# KiCad board VLT.kicad_pcb
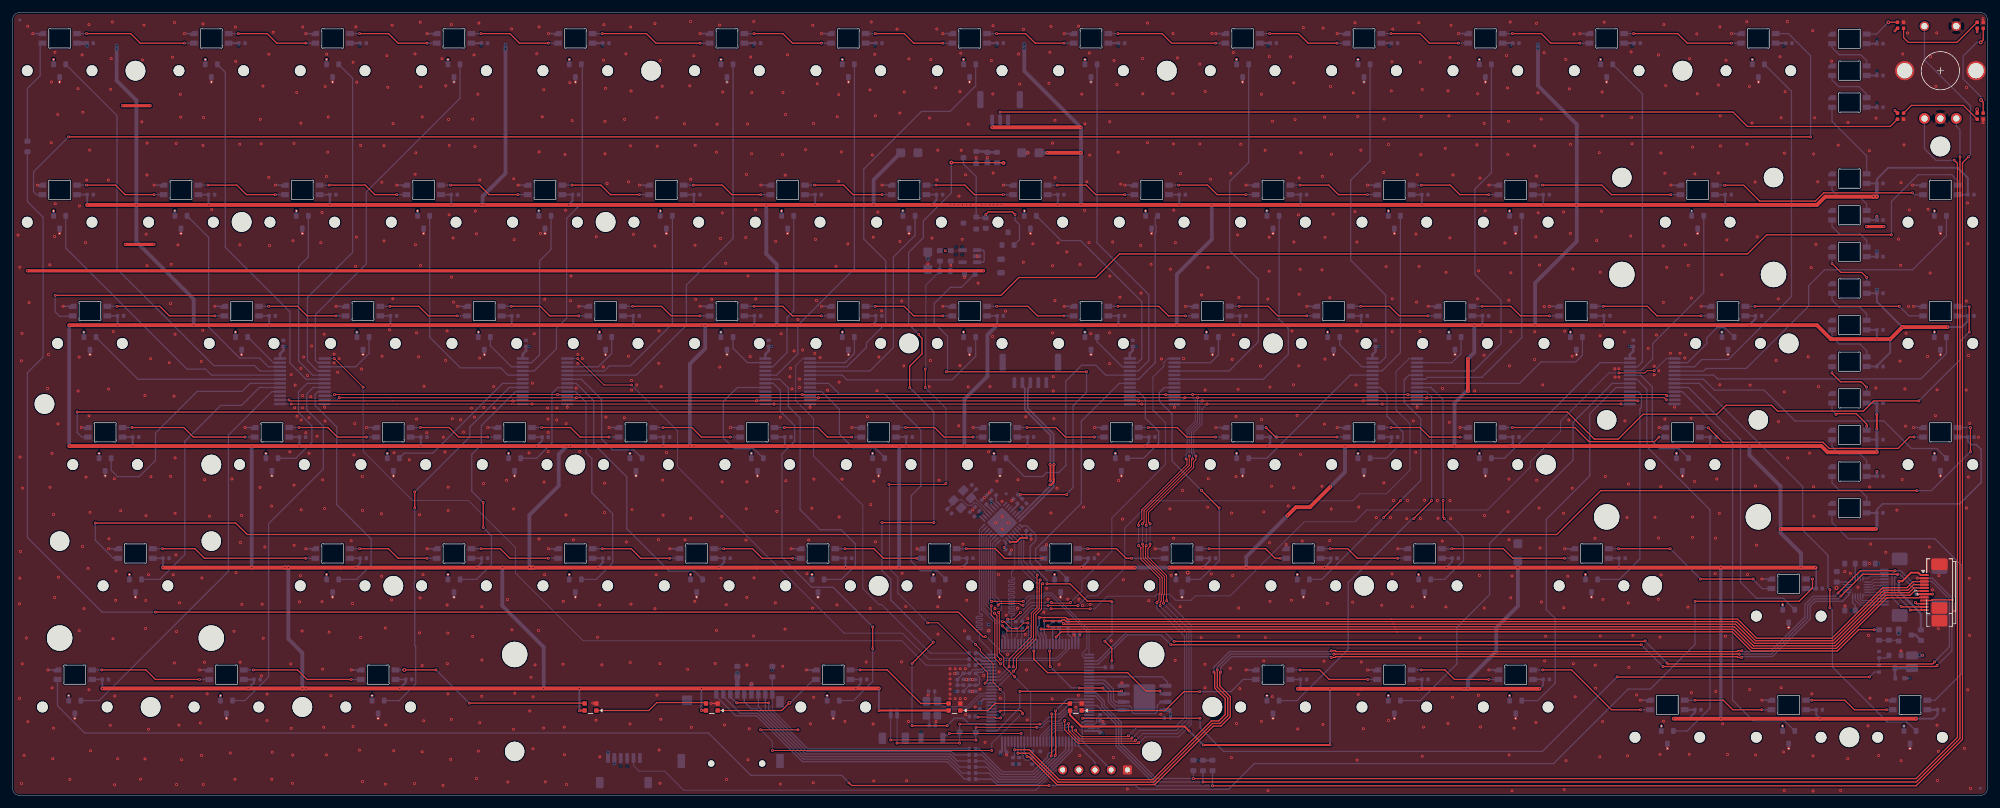
[diagram p0: board, top side]
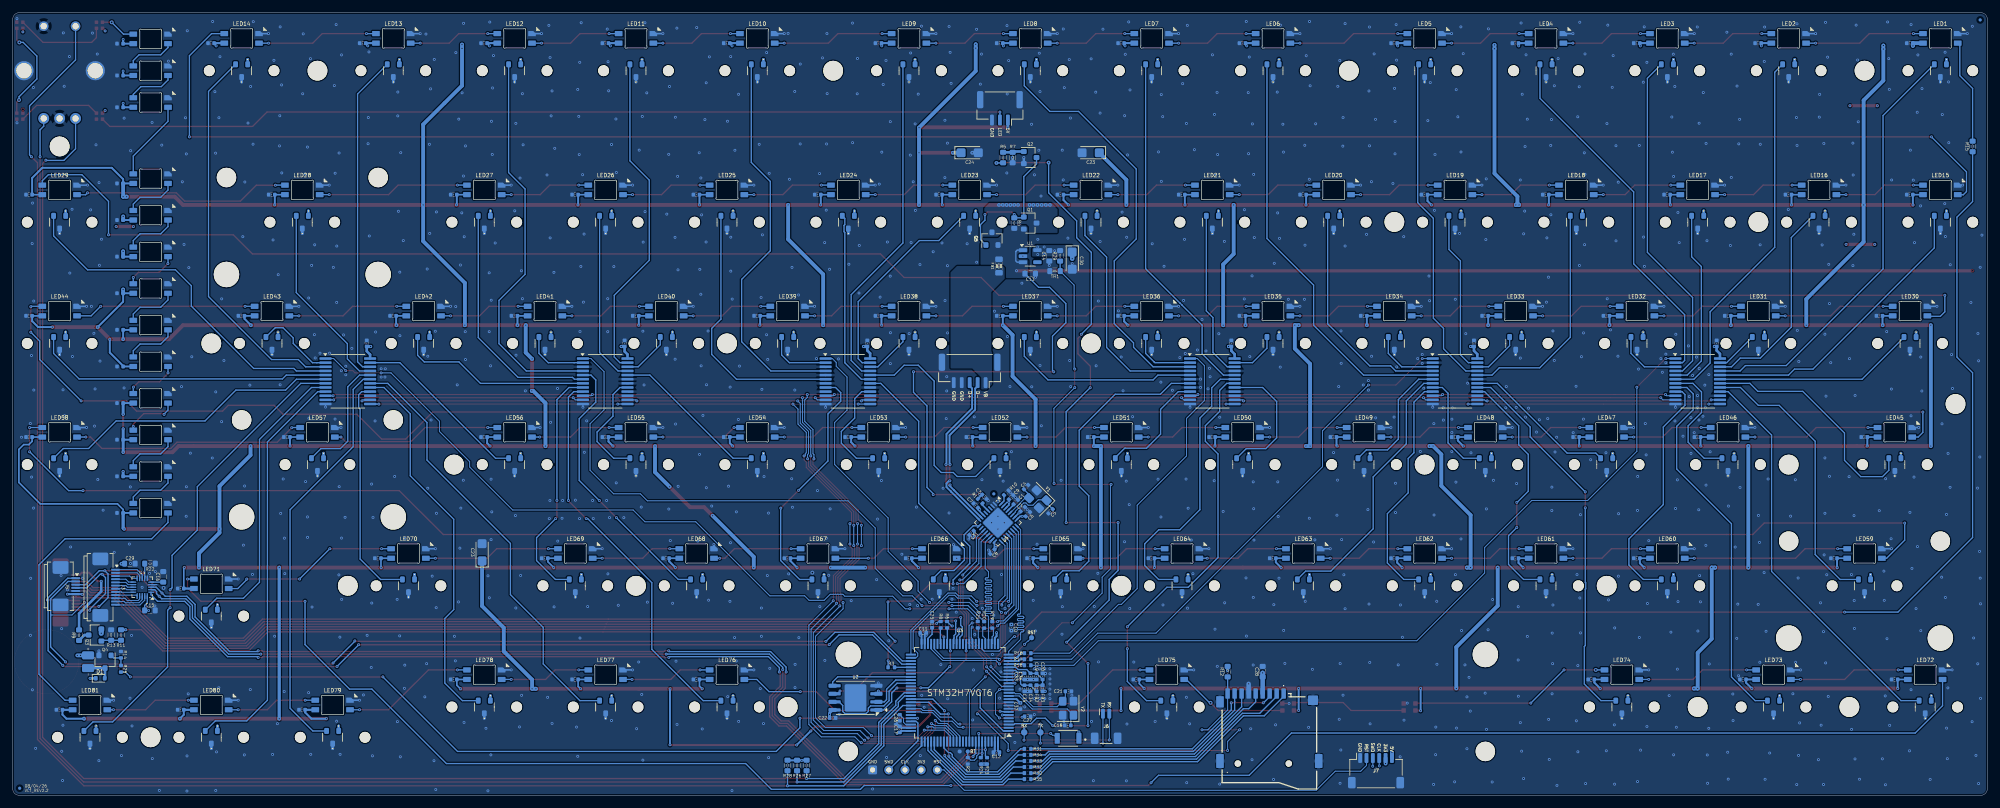
[diagram p1: board, bottom side, seen from below]

Outline 310 x 123 mm; copper layers: Top, In1.Cu, In2.Cu, Bottom. Coordinates in mm from the lower left corner of the outline.
Outline path: 0,122 arc(0.29,122.71) 1,123 309,123 arc(309.71,122.7) 310,121.99 310,1 arc(309.71,0.29) 309,0 1,0 arc(0.29,0.29) 0,0.99 0,122
Stack: Top 0.035mm / dielectric 0.1mm FR4 er 4.5 / In1.Cu 0.035mm / dielectric 1.24mm FR4 er 4.5 / In2.Cu 0.035mm / dielectric 0.1mm FR4 er 4.5 / Bottom 0.035mm

## Placement (name value [footprint] x y rotation side)
AMB1  SK6812  [LED_6028R]  288.35 45.13 0 bottom
AMB2  SK6812  [LED_6028R]  288.35 50.88 0 bottom
AMB3  SK6812  [LED_6028R]  288.35 56.64 0 bottom
AMB4  SK6812  [LED_6028R]  288.35 62.39 0 bottom
AMB5  SK6812  [LED_6028R]  288.35 68.15 0 bottom
AMB6  SK6812  [LED_6028R]  288.35 73.9 0 bottom
AMB7  SK6812  [LED_6028R]  288.35 79.66 0 bottom
AMB8  SK6812  [LED_6028R]  288.35 85.41 0 bottom
AMB9  SK6812  [LED_6028R]  288.35 91.17 0 bottom
AMB10  SK6812  [LED_6028R]  288.35 96.92 0 bottom
C1  100nF  [C_0402]  152.51 46.09 135 bottom
C2  100nF  [C_0402]  151.42 44.98 135 bottom
C3  100nF  [C_0402]  157.46 46.91 225 bottom
C4  20pF  [C_0402]  150.91 48.44 315 bottom
C5  20pF  [C_0402]  147.06 44.64 135 bottom
C6  100nF  [C_0402]  150.62 44.18 135 bottom
C7  100nF  [C_0402]  158.81 45.54 45 bottom
C8  100nF  [C_0402]  156.21 38.29 315 bottom
C9  100nF  [C_0402]  153.26 46.84 135 bottom
C10  100nF  [C_0402]  153.21 26.36 270 bottom
C11  100nF  [C_0402]  167.06 25.54 180 bottom
C12  100nF  [C_0402]  155.56 6.76 0 bottom
C13  10uF  [C_0603]  150.26 81.99 180 bottom
C14  10uF  [C_0603]  147.26 84.79 270 bottom
C15  100nF  [C_0603]  288.46 29.06 180 bottom
C16  100nF  [C_0603]  286.38 34.34 90 bottom
C17  100nF  [C_0402]  170.74 10.36 90 bottom
C18  20pF  [C_0402]  144.36 10.99 180 bottom
C19  100nF  [C_0402]  149.26 18.69 90 bottom
C20  1uF  [C_0402]  148.31 18.69 270 bottom
C21  20pF  [C_0402]  144.26 16.34 0 bottom
C22  100nF  [C_0402]  181.28 12.16 180 bottom
C23  47uF  [CP_EIA-3216-12_Kemet-S]  140.76 100.99 0 bottom
C23#2  47uF  [CP_EIA-3216-12_Kemet-S]  236.31 38.19 90 bottom
C24  47uF  [CP_EIA-3216-12_Kemet-S]  159.76 100.99 180 bottom
C25  4.7uF  [C_0402]  165.66 26.81 90 bottom
C26  4.7uF  [C_0402]  170.74 12.19 270 bottom
C27  100nF  [C_0402]  150.66 12.39 0 bottom
C28  100nF  [C_0603]  113.76 19.44 90 bottom
C29  100nF  [C_0603]  291.61 36.41 180 bottom
C30  47uF  [CP_EIA-3216-12_Kemet-S]  143.66 84.04 270 bottom
C31  100nF  [C_0402]  159.46 41.24 315 bottom
C32  100nF  [C_0402]  151.81 14.04 270 bottom
C33  100nF  [C_0402]  151.16 18.69 90 bottom
C34  1uF  [C_0402]  150.21 16.82 90 bottom
C35  10uF  [C_0402]  151.16 16.82 90 bottom
C36  10uF  [C_0402]  150.21 18.69 90 bottom
CA1  0.1uF  [C_0402]  293.15 44.38 0 bottom
CA2  0.1uF  [C_0402]  293.15 50.13 0 bottom
CA3  0.1uF  [C_0402]  293.15 55.89 0 bottom
CA4  0.1uF  [C_0402]  293.15 61.64 0 bottom
CA5  0.1uF  [C_0402]  293.15 67.4 0 bottom
CA6  0.1uF  [C_0402]  293.15 73.15 0 bottom
CA7  0.1uF  [C_0402]  293.15 78.91 0 bottom
CA8  0.1uF  [C_0402]  293.15 84.66 0 bottom
CA9  0.1uF  [C_0402]  293.15 90.42 0 bottom
CA10  0.1uF  [C_0402]  293.15 96.17 0 bottom
CG1  0.1uF  [C_0402]  293.15 108.14 0 bottom
CG2  0.1uF  [C_0402]  293.15 113.14 0 bottom
CG3  0.1uF  [C_0402]  293.15 118.14 0 bottom
CL1  0.1u  [C_0402]  12.16 118.22 0 bottom
CL2  0.1u  [C_0402]  35.98 118.22 0 bottom
CL3  0.1u  [C_0402]  55.03 118.22 0 bottom
CL4  0.1u  [C_0402]  74.08 118.22 0 bottom
CL5  0.1u  [C_0402]  93.13 118.22 0 bottom
CL6  0.1u  [C_0402]  116.94 118.22 0 bottom
CL7  0.1u  [C_0402]  135.99 118.22 0 bottom
CL8  0.1u  [C_0402]  155.04 118.22 0 bottom
CL9  0.1u  [C_0402]  174.09 118.22 0 bottom
CL10  0.1u  [C_0402]  197.9 118.22 0 bottom
CL11  0.1u  [C_0402]  216.95 118.22 0 bottom
CL12  0.1u  [C_0402]  236 118.22 0 bottom
CL13  0.1u  [C_0402]  255.05 118.22 0 bottom
CL14  0.1u  [C_0402]  278.86 118.22 0 bottom
CL15  0.1u  [C_0402]  12.16 94.4 0 bottom
CL16  0.1u  [C_0402]  31.21 94.4 0 bottom
CL17  0.1u  [C_0402]  50.26 94.4 0 bottom
CL18  0.1u  [C_0402]  69.31 94.4 0 bottom
CL19  0.1u  [C_0402]  88.36 94.4 0 bottom
CL20  0.1u  [C_0402]  107.41 94.4 0 bottom
CL21  0.1u  [C_0402]  126.46 94.4 0 bottom
CL22  0.1u  [C_0402]  145.51 94.4 0 bottom
CL23  0.1u  [C_0402]  164.56 94.4 0 bottom
CL24  0.1u  [C_0402]  183.61 94.4 0 bottom
CL25  0.1u  [C_0402]  202.66 94.4 0 bottom
CL26  0.1u  [C_0402]  221.71 94.4 0 bottom
CL27  0.1u  [C_0402]  240.76 94.4 0 bottom
CL28  0.1u  [C_0402]  269.34 94.4 0 bottom
CL29  0.1u  [C_0402]  307.44 94.4 0 bottom
CL30  0.1u  [C_0402]  16.93 75.35 0 bottom
CL31  0.1u  [C_0402]  40.74 75.35 0 bottom
CL32  0.1u  [C_0402]  59.79 75.35 0 bottom
CL33  0.1u  [C_0402]  78.84 75.35 0 bottom
CL34  0.1u  [C_0402]  97.89 75.35 0 bottom
CL35  0.1u  [C_0402]  116.94 75.35 0 bottom
CL36  0.1u  [C_0402]  135.99 75.35 0 bottom
CL37  0.1u  [C_0402]  155.04 75.35 0 bottom
CL38  0.1u  [C_0402]  174.09 75.35 0 bottom
CL39  0.1u  [C_0402]  193.14 75.35 0 bottom
CL40  0.1u  [C_0402]  212.19 75.35 0 bottom
CL41  0.1u  [C_0402]  231.24 75.35 0 bottom
CL42  0.1u  [C_0402]  250.29 75.35 0 bottom
CL43  0.1u  [C_0402]  274.1 75.35 0 bottom
CL44  0.1u  [C_0402]  307.44 75.35 0 bottom
CL45  0.1u  [C_0402]  19.31 56.3 0 bottom
CL46  0.1u  [C_0402]  45.5 56.3 0 bottom
CL47  0.1u  [C_0402]  64.55 56.3 0 bottom
CL48  0.1u  [C_0402]  83.6 56.3 0 bottom
CL49  0.1u  [C_0402]  102.65 56.3 0 bottom
CL50  0.1u  [C_0402]  121.7 56.3 0 bottom
CL51  0.1u  [C_0402]  140.75 56.3 0 bottom
CL52  0.1u  [C_0402]  159.8 56.3 0 bottom
CL53  0.1u  [C_0402]  178.85 56.3 0 bottom
CL54  0.1u  [C_0402]  197.9 56.3 0 bottom
CL55  0.1u  [C_0402]  216.95 56.3 0 bottom
CL56  0.1u  [C_0402]  236 56.3 0 bottom
CL57  0.1u  [C_0402]  266.96 56.3 0 bottom
CL58  0.1u  [C_0402]  307.44 56.3 0 bottom
CL59  0.1u  [C_0402]  24.07 37.25 0 bottom
CL60  0.1u  [C_0402]  55.03 37.25 0 bottom
CL61  0.1u  [C_0402]  74.08 37.25 0 bottom
CL62  0.1u  [C_0402]  93.13 37.25 0 bottom
CL63  0.1u  [C_0402]  112.18 37.25 0 bottom
CL64  0.1u  [C_0402]  131.23 37.25 0 bottom
CL65  0.1u  [C_0402]  150.28 37.25 0 bottom
CL66  0.1u  [C_0402]  169.33 37.25 0 bottom
CL67  0.1u  [C_0402]  188.38 37.25 0 bottom
CL68  0.1u  [C_0402]  207.43 37.25 0 bottom
CL69  0.1u  [C_0402]  226.48 37.25 0 bottom
CL70  0.1u  [C_0402]  252.67 37.25 0 bottom
CL71  0.1u  [C_0402]  283.63 32.49 0 bottom
CL72  0.1u  [C_0402]  14.54 18.2 0 bottom
CL73  0.1u  [C_0402]  38.36 18.2 0 bottom
CL74  0.1u  [C_0402]  62.17 18.2 0 bottom
CL75  0.1u  [C_0402]  133.61 18.2 0 bottom
CL76  0.1u  [C_0402]  202.66 18.2 0 bottom
CL77  0.1u  [C_0402]  221.71 18.2 0 bottom
CL78  0.1u  [C_0402]  240.76 18.2 0 bottom
CL79  0.1u  [C_0402]  264.58 13.44 0 bottom
CL80  0.1u  [C_0402]  283.63 13.44 0 bottom
CL81  0.1u  [C_0402]  302.68 13.44 0 bottom
D1  1N4148WT  [D_SOD-523]  296.26 18.39 180 bottom
ENC1  RotaryEncoder_Switch_MP  [RotaryEncoder_Alps_EC11E_Vertical_H20mm_CircularMountingHoles]  302.64 113.89 180 top
ERM1  Motor_DC  [Coin_Motor_ERM_10mm]  304.67 20.99 90 bottom
FB1  600R  [Ferrite_0805]  155.16 83.19 90 bottom
FB2  60R  [Ferrite_0402]  149.26 16.82 270 bottom
FB3  60R  [Ferrite_0402]  148.31 16.82 270 bottom
FID1  Fiducial  [Fiducial_0.5mm_Mask1mm]  1.11 121.87 180 bottom
FID2  Fiducial  [Fiducial_0.5mm_Mask1mm]  308.91 1.11 180 bottom
FID3  Fiducial  [Fiducial_0.5mm_Mask1mm]  155.97 47.38 180 bottom
GLO1  SK6812  [LED_6028R]  288.35 108.89 0 bottom
GLO2  SK6812  [LED_6028R]  288.35 113.89 0 bottom
GLO3  SK6812  [LED_6028R]  288.35 118.89 0 bottom
HE1  49E  [SW_MX_HE_90deg_1u_4layer]  7.36 113.89 0 bottom
HE2  49E  [SW_MX_HE_90deg_1u_4layer]  31.18 113.89 0 bottom
HE3  49E  [SW_MX_HE_90deg_1u_4layer]  50.23 113.89 0 bottom
HE4  49E  [SW_MX_HE_90deg_1u_4layer]  69.28 113.89 0 bottom
HE5  49E  [SW_MX_HE_90deg_1u_4layer]  88.33 113.89 0 bottom
HE6  49E  [SW_MX_HE_90deg_1u_4layer]  112.14 113.89 0 bottom
HE7  49E  [SW_MX_HE_90deg_1u_4layer]  131.19 113.89 0 bottom
HE8  49E  [SW_MX_HE_90deg_1u_4layer]  150.24 113.89 0 bottom
HE9  49E  [SW_MX_HE_90deg_1u_4layer]  169.29 113.89 0 bottom
HE10  49E  [SW_MX_HE_90deg_1u_4layer]  193.1 113.89 0 bottom
HE11  49E  [SW_MX_HE_90deg_1u_4layer]  212.15 113.89 0 bottom
HE12  49E  [SW_MX_HE_90deg_1u_4layer]  231.2 113.89 0 bottom
HE13  49E  [SW_MX_HE_90deg_1u_4layer]  250.25 113.89 0 bottom
HE14  49E  [SW_MX_HE_90deg_1u_4layer]  274.06 113.89 0 bottom
HE15  49E  [SW_MX_HE_90deg_1u_4layer]  7.36 90.07 0 bottom
HE16  49E  [SW_MX_HE_90deg_1u_4layer]  26.41 90.07 0 bottom
HE17  49E  [SW_MX_HE_90deg_1u_4layer]  45.46 90.07 0 bottom
HE18  49E  [SW_MX_HE_90deg_1u_4layer]  64.51 90.07 0 bottom
HE19  49E  [SW_MX_HE_90deg_1u_4layer]  83.56 90.07 0 bottom
HE20  49E  [SW_MX_HE_90deg_1u_4layer]  102.61 90.07 0 bottom
HE21  49E  [SW_MX_HE_90deg_1u_4layer]  121.66 90.07 0 bottom
HE22  49E  [SW_MX_HE_90deg_1u_4layer]  140.71 90.07 0 bottom
HE23  49E  [SW_MX_HE_90deg_1u_4layer]  159.76 90.07 0 bottom
HE24  49E  [SW_MX_HE_90deg_1u_4layer]  178.81 90.07 0 bottom
HE25  49E  [SW_MX_HE_90deg_1u_4layer]  197.86 90.07 0 bottom
HE26  49E  [SW_MX_HE_90deg_1u_4layer]  216.91 90.07 0 bottom
HE27  49E  [SW_MX_HE_90deg_1u_4layer]  235.96 90.07 0 bottom
HE28  49E  [SW_MX_HE_90deg_2.00u_4layer]  264.54 90.07 0 bottom
HE29  49E  [SW_MX_HE_90deg_1u_4layer]  302.64 90.07 0 bottom
HE30  49E  [SW_MX_HE_90deg_1.5u_4layer]  12.13 71.02 0 bottom
HE31  49E  [SW_MX_HE_90deg_1u_4layer]  35.94 71.02 0 bottom
HE32  49E  [SW_MX_HE_90deg_1u_4layer]  54.99 71.02 0 bottom
HE33  49E  [SW_MX_HE_90deg_1u_4layer]  74.04 71.02 0 bottom
HE34  49E  [SW_MX_HE_90deg_1u_4layer]  93.09 71.02 0 bottom
HE35  49E  [SW_MX_HE_90deg_1u_4layer]  112.14 71.02 0 bottom
HE36  49E  [SW_MX_HE_90deg_1u_4layer]  131.19 71.02 0 bottom
HE37  49E  [SW_MX_HE_90deg_1u_4layer]  150.24 71.02 0 bottom
HE38  49E  [SW_MX_HE_90deg_1u_4layer]  169.29 71.02 0 bottom
HE39  49E  [SW_MX_HE_90deg_1u_4layer]  188.34 71.02 0 bottom
HE40  49E  [SW_MX_HE_90deg_1u_4layer]  207.39 71.02 0 bottom
HE41  49E  [SW_MX_HE_90deg_1u_4layer]  226.44 71.02 0 bottom
HE42  49E  [SW_MX_HE_90deg_1u_4layer]  245.49 71.02 0 bottom
HE43  49E  [SW_MX_HE_90deg_1.5u_4layer]  269.3 71.02 0 bottom
HE44  49E  [SW_MX_HE_90deg_1u_4layer]  302.64 71.02 0 bottom
HE45  49E  [SW_MX_HE_90deg_1.75u_4layer]  14.51 51.97 180 bottom
HE46  49E  [SW_MX_HE_90deg_1u_4layer]  40.7 51.97 0 bottom
HE47  49E  [SW_MX_HE_90deg_1u_4layer]  59.75 51.97 0 bottom
HE48  49E  [SW_MX_HE_90deg_1u_4layer]  78.8 51.97 0 bottom
HE49  49E  [SW_MX_HE_90deg_1u_4layer]  97.85 51.97 0 bottom
HE50  49E  [SW_MX_HE_90deg_1u_4layer]  116.9 51.97 0 bottom
HE51  49E  [SW_MX_HE_90deg_1u_4layer]  135.95 51.97 0 bottom
HE52  49E  [SW_MX_HE_90deg_1u_4layer]  155 51.97 0 bottom
HE53  49E  [SW_MX_HE_90deg_1u_4layer]  174.05 51.97 0 bottom
HE54  49E  [SW_MX_HE_90deg_1u_4layer]  193.1 51.97 0 bottom
HE55  49E  [SW_MX_HE_90deg_1u_4layer]  212.15 51.97 0 bottom
HE56  49E  [SW_MX_HE_90deg_1u_4layer]  231.2 51.97 0 bottom
HE57  49E  [SW_MX_HE_90deg_2.25u_4layer]  262.16 51.97 0 bottom
HE58  49E  [SW_MX_HE_90deg_1u_4layer]  302.64 51.97 0 bottom
HE59  49E  [SW_MX_HE_90deg_2.25u_4layer]  19.27 32.92 0 bottom
HE60  49E  [SW_MX_HE_90deg_1u_4layer]  50.23 32.92 0 bottom
HE61  49E  [SW_MX_HE_90deg_1u_4layer]  69.28 32.92 0 bottom
HE62  49E  [SW_MX_HE_90deg_1u_4layer]  88.33 32.92 0 bottom
HE63  49E  [SW_MX_HE_90deg_1u_4layer]  107.38 32.92 0 bottom
HE64  49E  [SW_MX_HE_90deg_1u_4layer]  126.43 32.92 0 bottom
HE65  49E  [SW_MX_HE_90deg_1u_4layer]  145.48 32.92 0 bottom
HE66  49E  [SW_MX_HE_90deg_1u_4layer]  164.53 32.92 0 bottom
HE67  49E  [SW_MX_HE_90deg_1u_4layer]  183.58 32.92 0 bottom
HE68  49E  [SW_MX_HE_90deg_1u_4layer]  202.63 32.92 0 bottom
HE69  49E  [SW_MX_HE_90deg_1u_4layer]  221.68 32.92 0 bottom
HE70  49E  [SW_MX_HE_90deg_1.75u_4layer#2]  247.87 32.92 0 bottom
HE71  49E  [SW_MX_HE_90deg_1u_4layer]  278.83 28.16 0 bottom
HE72  49E  [SW_MX_HE_90deg_1.25u_4layer]  9.74 13.87 0 bottom
HE73  49E  [SW_MX_HE_90deg_1.25u_4layer]  33.56 13.87 0 bottom
HE74  49E  [SW_MX_HE_90deg_1.25u_4layer]  57.37 13.87 0 bottom
HE75  49E  [SW_MX_HE_90deg_6.25u_4layer]  128.81 13.87 0 bottom
HE76  49E  [SW_MX_HE_90deg_1u_4layer]  197.86 13.87 0 bottom
HE77  49E  [SW_MX_HE_90deg_1u_4layer]  216.91 13.87 0 bottom
HE78  49E  [SW_MX_HE_90deg_1u_4layer]  235.96 13.87 0 bottom
HE79  49E  [SW_MX_HE_90deg_1u_4layer]  259.78 9.11 0 bottom
HE80  49E  [SW_MX_HE_90deg_1u_4layer]  278.83 9.11 0 bottom
HE81  49E  [SW_MX_HE_90deg_1u_4layer]  297.88 9.11 0 bottom
J1  TFT  [XUNPU_FPC-05F-8PH20_1x8-1MP_P0.5mm]  301.21 32.86 90 top
J2  DEBUG  [SWD_Debug_PinHeader_1x05_P2.54mm]  169.92 3.99 90 bottom
J3  MPR_ELE  [XUNPU_FPC-05F-12PH20_1x12-1MP_P0.5mm#2]  294.96 32.71 270 bottom
J4  LED_EXP  [JST_GH_SM03B-GHS-TB_1x03-1MP_P1.25mm_Horizontal]  155.01 107.99 0 bottom  (not fitted)
J5  CTP  [XUNPU_FPC-05F-6PH20_1x6-1MP_P0.5mm]  301.21 32.86 270 bottom
J6  UART  [JST_SH_SM02B-SRSS-TB_1x02-1MP_P1.00mm_Horizontal]  138.34 10.84 180 bottom
J7  DEBUG  [JST_SH_SM06B-SRSS-TB_1x06-1MP_P1.00mm_Horizontal]  95.96 3.86 180 bottom
JST1  MOMMY  [JST_GH_SM05B-GHS-TB_1x05-1MP_P1.25mm_Horizontal]  159.76 66.71 0 bottom
LED1  SK6812  [LED_6028R]  7.36 118.97 0 bottom
LED2  SK6812  [LED_6028R]  31.18 118.97 0 bottom
LED3  SK6812  [LED_6028R]  50.23 118.97 0 bottom
LED4  SK6812  [LED_6028R]  69.28 118.97 0 bottom
LED5  SK6812  [LED_6028R]  88.33 118.97 0 bottom
LED6  SK6812  [LED_6028R]  112.14 118.97 0 bottom
LED7  SK6812  [LED_6028R]  131.19 118.97 0 bottom
LED8  SK6812  [LED_6028R]  150.24 118.97 0 bottom
LED9  SK6812  [LED_6028R]  169.29 118.97 0 bottom
LED10  SK6812  [LED_6028R]  193.1 118.97 0 bottom
LED11  SK6812  [LED_6028R]  212.15 118.97 0 bottom
LED12  SK6812  [LED_6028R]  231.2 118.97 0 bottom
LED13  SK6812  [LED_6028R]  250.25 118.97 0 bottom
LED14  SK6812  [LED_6028R]  274.06 118.97 0 bottom
LED15  SK6812  [LED_6028R]  7.36 95.15 0 bottom
LED16  SK6812  [LED_6028R]  26.41 95.15 0 bottom
LED17  SK6812  [LED_6028R]  45.46 95.15 0 bottom
LED18  SK6812  [LED_6028R]  64.51 95.15 0 bottom
LED19  SK6812  [LED_6028R]  83.56 95.15 0 bottom
LED20  SK6812  [LED_6028R]  102.61 95.15 0 bottom
LED21  SK6812  [LED_6028R]  121.66 95.15 0 bottom
LED22  SK6812  [LED_6028R]  140.71 95.15 0 bottom
LED23  SK6812  [LED_6028R]  159.76 95.15 0 bottom
LED24  SK6812  [LED_6028R]  178.81 95.15 0 bottom
LED25  SK6812  [LED_6028R]  197.86 95.15 0 bottom
LED26  SK6812  [LED_6028R]  216.91 95.15 0 bottom
LED27  SK6812  [LED_6028R]  235.96 95.15 0 bottom
LED28  SK6812  [LED_6028R]  264.54 95.15 0 bottom
LED29  SK6812  [LED_6028R]  302.64 95.15 0 bottom
LED30  SK6812  [LED_6028R]  12.13 76.1 0 bottom
LED31  SK6812  [LED_6028R]  35.94 76.1 0 bottom
LED32  SK6812  [LED_6028R]  54.99 76.1 0 bottom
LED33  SK6812  [LED_6028R]  74.04 76.1 0 bottom
LED34  SK6812  [LED_6028R]  93.09 76.1 0 bottom
LED35  SK6812  [LED_6028R]  112.14 76.1 0 bottom
LED36  SK6812  [LED_6028R]  131.19 76.1 0 bottom
LED37  SK6812  [LED_6028R]  150.24 76.1 0 bottom
LED38  SK6812  [LED_6028R]  169.29 76.1 0 bottom
LED39  SK6812  [LED_6028R]  188.34 76.1 0 bottom
LED40  SK6812  [LED_6028R]  207.39 76.1 0 bottom
LED41  SK6812  [LED_6028R]  226.44 76.1 0 bottom
LED42  SK6812  [LED_6028R]  245.49 76.1 0 bottom
LED43  SK6812  [LED_6028R]  269.3 76.1 0 bottom
LED44  SK6812  [LED_6028R]  302.64 76.1 0 bottom
LED45  SK6812  [LED_6028R]  14.51 57.05 0 bottom
LED46  SK6812  [LED_6028R]  40.7 57.05 0 bottom
LED47  SK6812  [LED_6028R]  59.75 57.05 0 bottom
LED48  SK6812  [LED_6028R]  78.8 57.05 0 bottom
LED49  SK6812  [LED_6028R]  97.85 57.05 0 bottom
LED50  SK6812  [LED_6028R]  116.9 57.05 0 bottom
LED51  SK6812  [LED_6028R]  135.95 57.05 0 bottom
LED52  SK6812  [LED_6028R]  155 57.05 0 bottom
LED53  SK6812  [LED_6028R]  174.05 57.05 0 bottom
LED54  SK6812  [LED_6028R]  193.1 57.05 0 bottom
LED55  SK6812  [LED_6028R]  212.15 57.05 0 bottom
LED56  SK6812  [LED_6028R]  231.2 57.05 0 bottom
LED57  SK6812  [LED_6028R]  262.16 57.05 0 bottom
LED58  SK6812  [LED_6028R]  302.64 57.05 0 bottom
LED59  SK6812  [LED_6028R]  19.27 38 0 bottom
LED60  SK6812  [LED_6028R]  50.23 38 0 bottom
LED61  SK6812  [LED_6028R]  69.28 38 0 bottom
LED62  SK6812  [LED_6028R]  88.33 38 0 bottom
LED63  SK6812  [LED_6028R]  107.38 38 0 bottom
LED64  SK6812  [LED_6028R]  126.43 38 0 bottom
LED65  SK6812  [LED_6028R]  145.48 38 0 bottom
LED66  SK6812  [LED_6028R]  164.53 38 0 bottom
LED67  SK6812  [LED_6028R]  183.58 38 0 bottom
LED68  SK6812  [LED_6028R]  202.63 38 0 bottom
LED69  SK6812  [LED_6028R]  221.68 38 0 bottom
LED70  SK6812  [LED_6028R]  247.87 38 0 bottom
LED71  SK6812  [LED_6028R]  278.83 33.24 0 bottom
LED72  SK6812  [LED_6028R]  9.74 18.95 0 bottom
LED73  SK6812  [LED_6028R]  33.56 18.95 0 bottom
LED74  SK6812  [LED_6028R]  57.37 18.95 0 bottom
LED75  SK6812  [LED_6028R]  128.81 18.95 0 bottom
LED75L1  WS2812_2020  [LED_WS2812_2020]  109.76 13.87 180 top
LED75L2  WS2812_2020  [LED_WS2812_2020]  90.71 13.87 180 top
LED75R1  WS2812_2020  [LED_WS2812_2020]  147.86 13.87 180 top
LED75R2  WS2812_2020  [LED_WS2812_2020]  166.91 13.87 180 top
LED76  SK6812  [LED_6028R]  197.86 18.95 0 bottom
LED77  SK6812  [LED_6028R]  216.91 18.95 0 bottom
LED78  SK6812  [LED_6028R]  235.96 18.95 0 bottom
LED79  SK6812  [LED_6028R]  259.78 14.19 0 bottom
LED80  SK6812  [LED_6028R]  278.83 14.19 0 bottom
LED81  SK6812  [LED_6028R]  297.88 14.19 0 bottom
M1  CD74HC4067SM  [SSOP-24_5.3x8.2mm_P0.65mm]  45.46 65.07 180 bottom
M2  CD74HC4067SM  [SSOP-24_5.3x8.2mm_P0.65mm]  83.56 65.07 180 bottom
M3  CD74HC4067SM  [SSOP-24_5.3x8.2mm_P0.65mm]  121.66 65.07 180 bottom
M4  CD74HC4067SM  [SSOP-24_5.3x8.2mm_P0.65mm]  178.88 65.07 180 bottom
M5  CD74HC4067SM  [SSOP-24_5.3x8.2mm_P0.65mm]  216.98 65.07 180 bottom
M6  CD74HC4067SM  [SSOP-24_5.3x8.2mm_P0.65mm]  257.39 65.07 180 bottom
MC1  0.1uF  [C_0402]  42.49 71.02 270 bottom
MC2  0.1uF  [C_0402]  80.59 71.03 270 bottom
MC3  0.1uF  [C_0402]  118.69 71.03 270 bottom
MC4  0.1uF  [C_0402]  175.84 71.03 270 bottom
MC5  0.1uF  [C_0402]  213.94 71.03 270 bottom
MC6  0.1uF  [C_0402]  254.42 71.03 270 bottom
NOREF  -  [MountingHole_3.1mm]  45.46 13.87 0 top
NOREF#2  -  [MountingHole_3.1mm]  100.23 113.89 0 top
NOREF#3  -  [MountingHole_3.1mm]  257.39 32.92 0 top
NOREF#4  -  [MountingHole_3.1mm]  188.34 13.87 0 top
NOREF#5  -  [MountingHole_3.1mm]  4.98 61.5 0 top
NOREF#6  -  [MountingHole_3.1mm]  59.75 32.92 0 top
NOREF#7  -  [MountingHole_3.1mm]  88.33 51.97 0 top
NOREF#8  -  [MountingHole_3.1mm]  19.27 113.89 0 top
NOREF#9  -  [MountingHole_3.1mm]  140.71 71.02 0 top
NOREF#10  -  [MountingHole_3.1mm]  181.19 113.89 0 top
NOREF#11  -  [MountingHole_3.1mm]  278.83 71.02 0 top
NOREF#12  -  [MountingHole_3.1mm]  21.65 13.87 0 top
NOREF#13  -  [MountingHole_3.1mm]  135.95 32.92 0 top
NOREF#14  -  [MountingHole_3.1mm]  212.15 32.92 0 top
NOREF#15  -  [MountingHole_3.1mm]  93.09 90.11 0 top
NOREF#16  -  [MountingHole_3.1mm]  302.64 101.98 0 top
NOREF#17  -  [MountingHole_3.1mm]  31.18 51.97 0 top
NOREF#18  -  [MountingHole_3.1mm]  240.73 51.97 0 top
NOREF#19  -  [MountingHole_3.1mm]  35.94 90.11 0 top
NOREF#20  -  [MountingHole_3.1mm]  288.35 9.11 0 top
Q1  AO3401A  [SOT-23]  150.26 89.94 180 bottom
Q2  BSS138  [SOT-23]  150.26 100.24 180 bottom
Q3  AO3401A  [SOT-23]  297.09 25.19 0 bottom
Q4  BSS138  [SOT-23]  295.51 20.99 270 bottom
Q5  AO3401A  [SOT-23]  156.26 87.49 90 bottom
R1  10K  [R_0402]  158.11 46.24 225 bottom
R2  10K  [R_0402]  160.06 5.41 90 bottom
R3  0R  [R_0402]  172.06 20.11 180 bottom
R4  100K  [R_0603]  152.76 89.94 270 bottom
R5  100K  [R_0603]  154.51 100.24 90 bottom
R6  22R  [R_0402]  163.31 26.81 90 bottom
R7  1M  [R_0603]  153.01 100.24 90 bottom
R8  22R  [R_0402]  164.31 26.81 90 bottom
R9  10R  [R_0603]  299.59 25.16 90 bottom
R10  12K  [R_0402]  154.01 47.54 315 bottom
R11  100  [R_0603]  293 25.19 270 bottom
R12  10k  [R_0603]  119.26 19.44 90 bottom
R13  100K  [R_0603]  294.55 25.19 270 bottom
R14  10K  [R_0402]  293.01 22.1 90 bottom
R15  330  [R_0603]  2.3 101.98 90 bottom
R16  100R  [R_0402]  150.66 20.44 180 bottom
R17  100R  [R_0402]  150.66 21.39 180 bottom
R18  100R  [R_0402]  150.66 22.34 180 bottom
R19  100R  [R_0402]  156.21 26.79 90 bottom
R20  100R  [R_0402]  157.49 26.79 90 bottom
R21  100R  [R_0402]  158.49 26.81 90 bottom
R22  75K  [R_0603]  288.45 36.41 180 bottom
R23  2.2K  [R_0402]  157.04 5.41 270 bottom
R24  2.2K  [R_0402]  158.01 5.41 270 bottom
R25  1K  [R_0402]  293.01 19.88 270 bottom
R26  10K  [R_0603]  186.86 4.69 270 bottom
R27  10K  [R_0603]  185.36 4.69 270 bottom
R28  10K  [R_0603]  188.36 4.69 270 bottom
R29  10K  [R_0603]  145.56 84.79 270 bottom
R30  22R  [R_0402]  150.66 3.49 180 bottom
R31  22R  [R_0402]  150.66 7.3 180 bottom
R32  22R  [R_0402]  150.66 4.44 180 bottom
R33  22R  [R_0402]  150.66 5.39 180 bottom
R34  22R  [R_0402]  150.66 6.35 0 bottom
R35  22R  [R_0402]  150.66 2.54 0 bottom
REF**  -  [MountingHole_3.1mm]  197.86 71.02 0 top
REF**#2  -  [MountingHole_3.1mm]  262.16 113.89 0 top
RING1  WS2812_2020  [sk68015-1515]  296.39 121.03 90 top
RING2  WS2812_2020  [sk68015-1515]  308.89 121.03 90 top
RING3  WS2812_2020  [sk68015-1515]  308.89 106.74 0 top
RING4  WS2812_2020  [sk68015-1515]  296.39 106.74 0 top
S1  BOOT  [SW_B3U-1000P]  144.31 8.96 0 bottom
S28  Back  [STAB_MX_2u]  264.54 90.11 0 top
S57  Enter  [STAB_MX_2.25u]  262.16 52.01 0 top
S59  LShift  [STAB_MX_2.25u]  19.27 32.96 0 top
S75  Space  [STAB_MX_6.25u]  128.81 13.87 180 top
SD1  MSD-1-A  [MSD1A]  112.71 8.89 180 bottom
TH1  DNP (10K)  [R_0603]  146.36 82.39 0 bottom
TP1  TX  [TestPoint_Pad_D1.0mm_Minimal]  148.66 9.89 180 bottom
TP2  RX  [TestPoint_Pad_D1.0mm_Minimal]  151.2 9.89 180 bottom
TP3  NRST  [TestPoint_Pad_D1.0mm_Minimal#2]  150.04 24.76 180 bottom
TP4  BOOT  [TestPoint_Pad_D1.0mm_Minimal#3]  160.06 6.89 180 bottom
TP5  GND  [TestPoint_Pad_D1.0mm_Minimal#3]  161.33 6.89 180 bottom
U1  AP2112K-3.3  [SOT-23-5]  150.26 84.74 180 bottom
U2  W25Q128JVS  [SOIC-8_5.3x5.3mm_P1.27mm]  177.69 15.31 0 bottom
U3  STM32H723VGTx  [LQFP-100_14x14mm_P0.5mm]  161.31 16.11 0 bottom
U4  MPR121QR2  [UQFN-20_3x3mm_P0.4mm]  289.68 32.71 0 bottom